# Altium PCB UZ_A_MAX11331_Daughter.PcbDoc (part 7 of 7)
Units mil, origin at the board's own origin, x right, y up, seen from the top; angles counter-clockwise.
Board outline 6811.03 x 3937.01 mil, 6 copper layers (Top Layer, GND, Signal 1, Signal 2, VCC, Bottom Layer), stack 32.112 mil thick; 537 components, 329 nets, 1705 pads, 572 vias.
Unrouted connection lines stored in the file: 272.
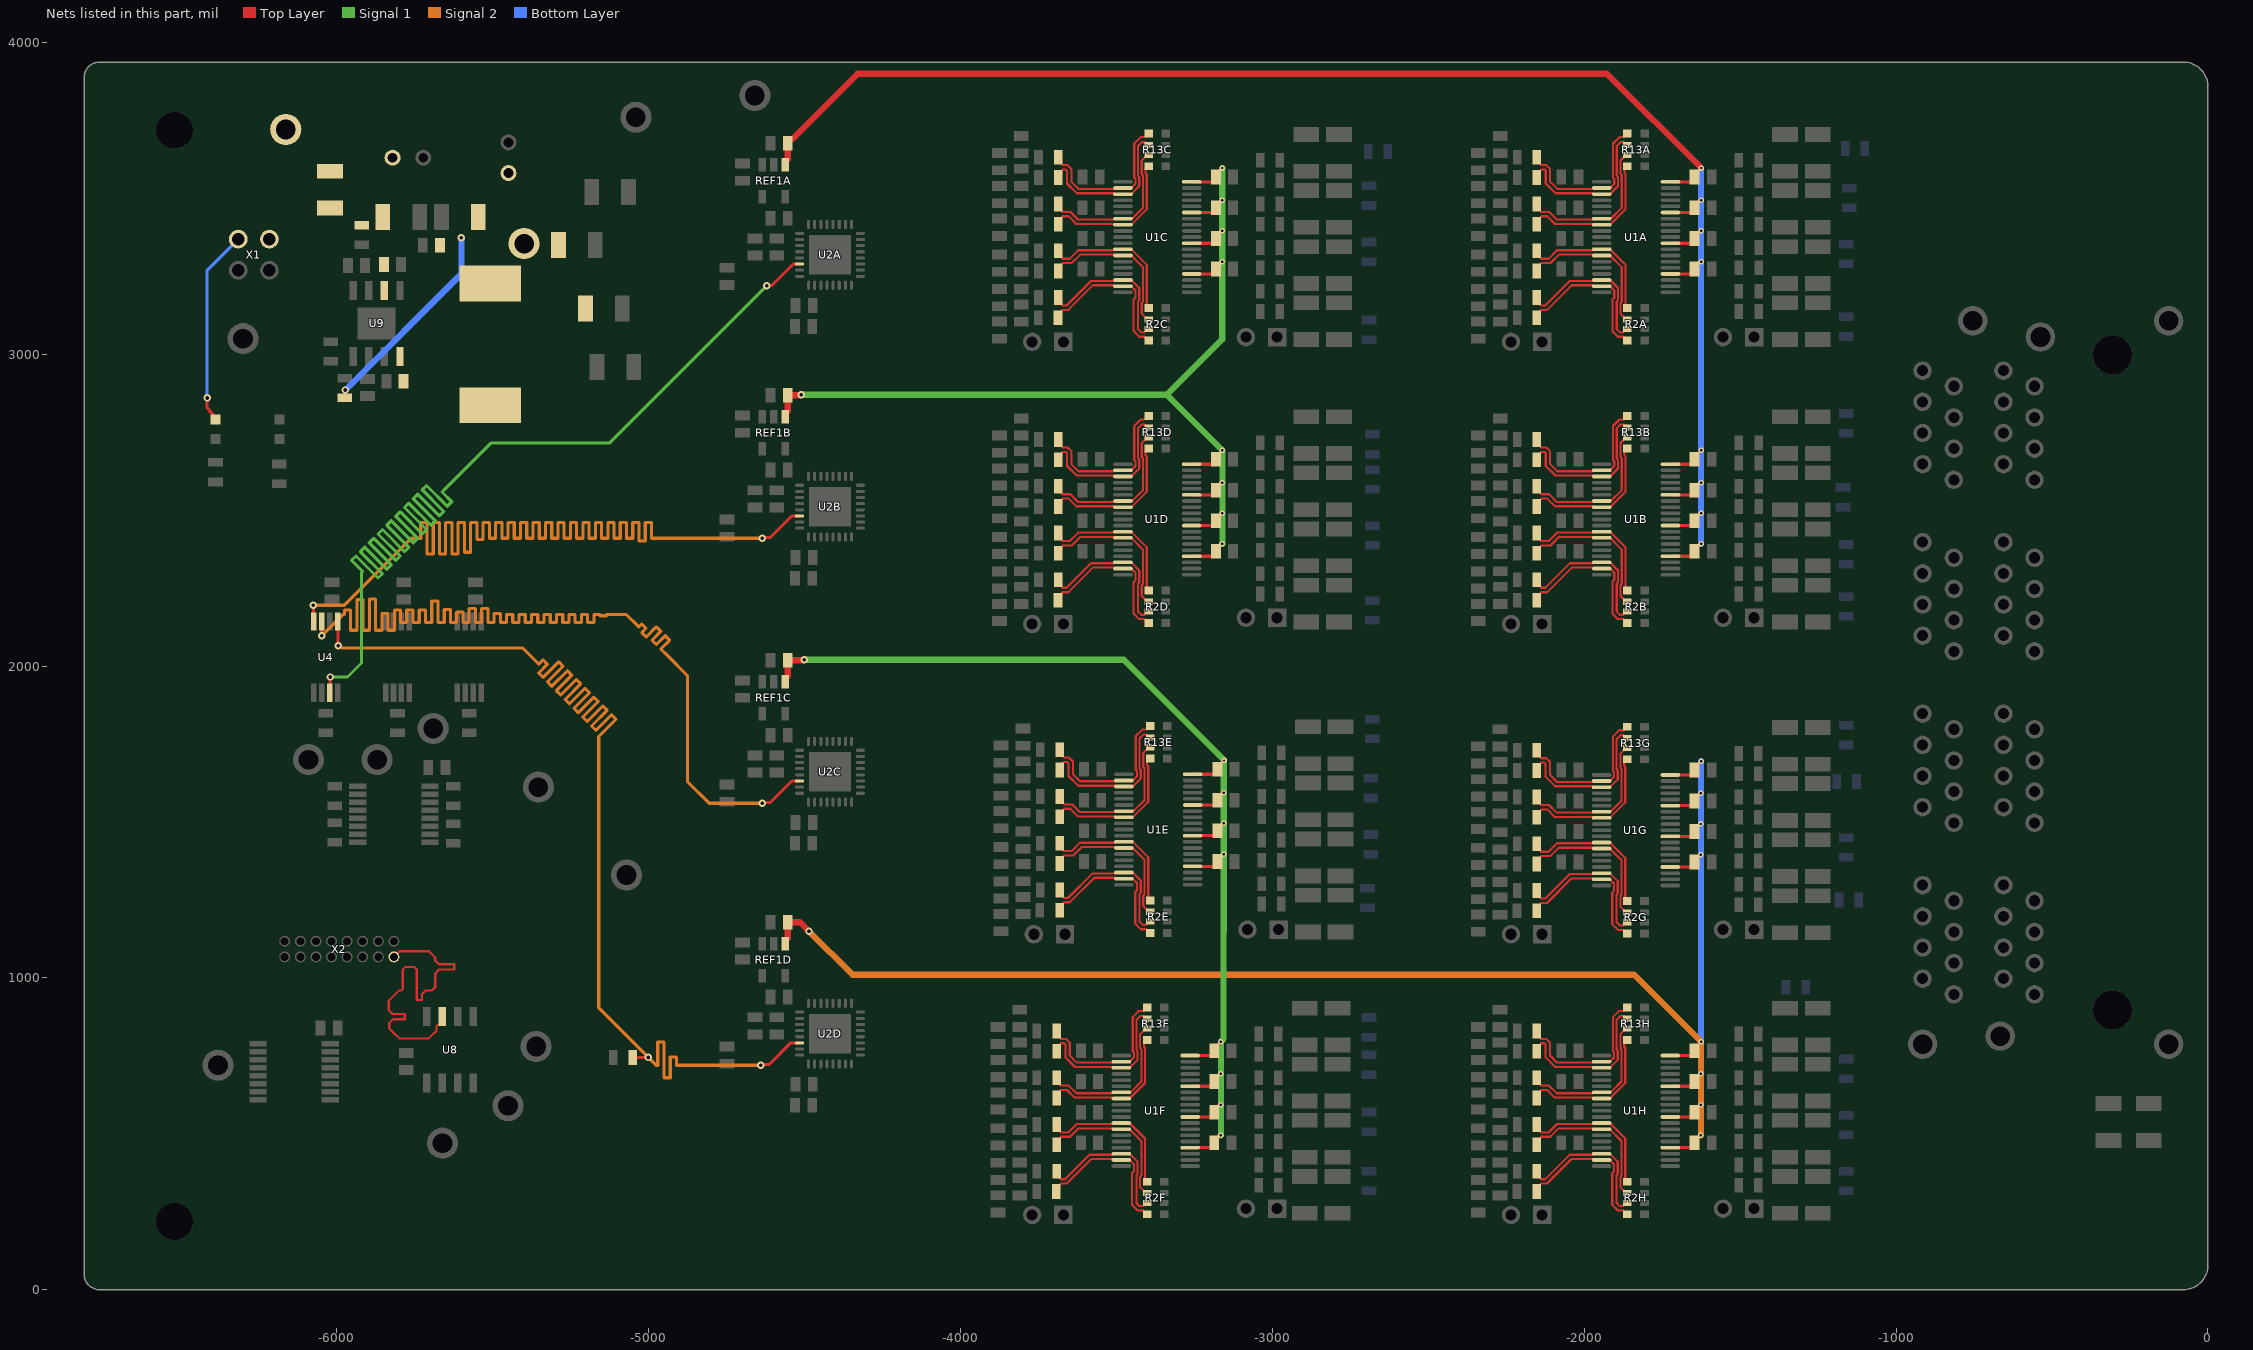
[diagram p11: the nets of this part, all layers, seen from the top]

## Via types
v1: diameter 17.72, hole 7.87, Top Layer to Bottom Layer, tented both sides, 359 vias
v2: diameter 23.62, hole 11.81, Top Layer to Bottom Layer, tented both sides, 171 vias
v3: diameter 27.56, hole 11.81, Top Layer to Bottom Layer, tented bottom, 32 vias
v4: diameter 19.68, hole 7.87, Top Layer to Bottom Layer, tented bottom, 6 vias
v5: diameter 51.18, hole 27.56, Top Layer to Bottom Layer, 4 vias

## Nets (pads, with @x,y where several pads share a name; then routed paths per layer and width w, separated by ;. In a path a pad name is that pad's centre, name@x,y a point inside that pad or via, vN(x,y) a via of type N, cw(c..) or ccw(c..) an arc to the next point about the centre after c; other vN are vias at no path point) (continued)
SCLK_RTN_P: U8.7 X2.15 | length 1117.5
  Top Layer w7: X2.15@-5817.57,1067.57 -5799.57,1085.57 -5705.57,1085.57 -5705.18,1085.18 -5685,1065 -5685,1056 -5672.7,1043.7 -5624,1043.7 -5624,1026.7 -5672.7,1026.7 -5685,1014.4 -5685,970 -5687.5,967.5 -5695,960 -5714.8,960 -5727.1,947.7 -5727.1,928.88 -5744.1,928.88 -5744.1,1026.8 -5752.3,1035 -5780.9,1035 -5789.1,1026.8 -5789.1,964.1 -5793.2,960 -5800.8,960 -5834,926.8 -5834,910 -5834,896.6 -5821.7,884.3 -5782.81,884.3 -5782.81,867.3 -5820.1,867.3 -5832.4,855 -5832.4,837.6 -5816.36,821.56 -5800.8,806 -5705.46,806 -5680.57,830.9 -5680.57,844.75 -5676.46,848.85 -5670.88,848.85 -5662.57,857.17 U8.7@-5662.57,875.87
SCLKA: U2A.22 U4.3 | length 4060.4
  Top Layer w10: U4.3@-6023.19,1914.68 -6022.31,1915.57 -6022.31,1964.11 v2(-6021.42,1965) ; v2(-4621.42,3220) -4606.42,3220 -4537.13,3289.29 -4516.38,3289.29 U2A.22@-4516.31,3289.37
  Signal 1 w10: v2(-6021.42,1965) -5966.42,1965 -5921.42,2010 -5921.42,2300 -5917.89,2303.54 -5953.24,2338.89 -5939.1,2353.03 -5868.39,2282.32 -5854.25,2296.46 -5924.96,2367.18 -5910.82,2381.32 -5840.11,2310.61 -5825.96,2324.75 -5896.67,2395.46 -5882.53,2409.6 -5811.82,2338.89 -5797.68,2353.03 -5868.39,2423.74 -5854.25,2437.89 -5783.54,2367.18 -5769.39,2381.32 -5840.11,2452.03 -5825.96,2466.17 -5755.25,2395.46 -5741.11,2409.6 -5811.82,2480.31 -5797.68,2494.45 -5726.97,2423.74 -5712.83,2437.89 -5783.54,2508.6 -5769.4,2522.74 -5698.68,2452.03 -5684.54,2466.17 -5755.25,2536.88 -5741.11,2551.02 -5671.68,2481.59 -5657.54,2495.74 -5726.97,2565.17 -5712.83,2579.31 -5645.88,2512.36 -5631.74,2526.5 -5663.33,2558.09 -5654.12,2567.3 -5506.42,2715 -5126.42,2715 v2(-4621.42,3220)
SCLKB: U2B.22 U4.8 | length 4046.6
  Top Layer w10: v2(-6076.42,2195) -6075.4,2193.98 -6075.4,2144.06 U4.8@-6074.38,2143.03 ; v2(-4636.42,2410) -4633.82,2412.61 -4610.03,2412.61 -4541.14,2481.5 -4516.38,2481.5 U2B.22@-4516.31,2481.57
  Signal 2 w10: v2(-6076.42,2195) -5976.42,2195 -5761.42,2410 -5736.42,2410 -5731.42,2410 -5731.42,2460 -5711.42,2460 -5711.42,2360 -5691.42,2360 -5691.42,2460 -5671.42,2460 -5671.42,2360 -5651.42,2360 -5651.42,2460 -5631.42,2460 -5631.42,2360 -5611.42,2360 -5611.42,2460 -5591.42,2460 -5591.42,2365 -5571.42,2365 -5571.42,2460 -5551.42,2460 -5551.42,2406.18 -5531.42,2406.18 -5531.42,2460 -5511.42,2460 -5511.42,2410 -5491.42,2410 -5491.42,2460 -5471.42,2460 -5471.42,2410 -5451.42,2410 -5451.42,2460 -5431.42,2460 -5431.42,2410 -5411.42,2410 -5411.42,2460 -5391.42,2460 -5391.42,2410 -5371.42,2410 -5371.42,2460 -5351.42,2460 -5351.42,2410 -5331.42,2410 -5331.42,2460 -5311.42,2460 -5311.42,2410 -5291.42,2410 -5291.42,2460 -5271.42,2460 -5271.42,2410 -5251.42,2410 -5251.42,2460 -5231.42,2460 -5231.42,2410 -5211.42,2410 -5211.42,2460 -5191.42,2460 -5191.42,2410 -5171.42,2410 -5171.42,2460 -5151.42,2460 -5151.42,2410 -5131.42,2410 -5131.42,2460 -5111.42,2460 -5111.42,2410 -5091.42,2410 -5091.42,2460 -5071.42,2460 -5071.42,2410 -5051.42,2410 -5051.42,2460 -5031.42,2460 -5031.42,2401.36 -5011.42,2401.36 -5011.42,2460 -4991.42,2460 -4991.42,2410 -4986.11,2410 v2(-4636.42,2410)
SCLKC: U2C.22 U4.7 | length 4041
  Top Layer w10: v2(-6048.79,2097.36) U4.7@-6048.79,2143.03 ; v2(-4636.42,1560) -4633.82,1562.61 -4609.67,1562.61 -4606.42,1565.86 -4606.42,1566.21 -4541.14,1631.5 -4516.38,1631.5 U2C.22@-4516.31,1631.57
  Signal 2 w10: v2(-6048.79,2097.36) -5981.15,2165 -5976.15,2165 -5976.15,2180 -5956.15,2180 -5956.15,2115 -5936.15,2115 -5936.15,2214.06 -5916.15,2214.06 -5916.15,2115 -5896.15,2115 -5896.15,2215 -5876.15,2215 -5876.15,2115 -5856.15,2115 -5856.15,2168.19 -5836.15,2168.19 -5836.15,2115 -5816.15,2115 -5816.15,2180 -5796.15,2180 -5796.15,2140 -5776.15,2140 -5776.15,2180 -5756.15,2180 -5756.15,2140 -5736.15,2140 -5736.15,2180 -5716.15,2180 -5716.15,2140 -5696.15,2140 -5696.15,2209.06 -5676.15,2209.06 -5676.15,2140 -5656.15,2140 -5656.15,2181.81 -5636.15,2181.81 -5636.15,2140 -5616.15,2140 -5616.15,2173.19 -5596.15,2173.19 -5596.15,2140 -5576.15,2140 -5576.15,2185 -5556.15,2185 -5556.15,2140 -5536.15,2140 -5536.15,2185 -5516.15,2185 -5516.15,2140 -5496.15,2140 -5496.15,2168.58 -5476.15,2168.58 -5476.15,2140 -5456.15,2140 -5456.15,2165 -5436.15,2165 -5436.15,2140 -5416.15,2140 -5416.15,2165 -5396.15,2165 -5396.15,2140 -5376.15,2140 -5376.15,2165 -5356.15,2165 -5356.15,2140 -5336.15,2140 -5336.15,2165 -5316.15,2165 -5316.15,2140 -5296.15,2140 -5296.15,2165 -5276.15,2165 -5276.15,2140 -5256.15,2140 -5256.15,2165 -5236.15,2165 -5236.15,2140 -5216.15,2140 -5216.15,2165 -5196.15,2165 -5196.15,2140 -5176.15,2140 -5176.15,2165 -5156.15,2165 -5156.15,2161.4 -5136.15,2161.4 -5136.15,2165 -5096.42,2165 -5071.42,2165 -5035.71,2129.29 -5032.18,2125.75 -5022.93,2135 -5008.79,2120.86 -5022.3,2107.34 -5008.16,2093.2 -4975.61,2125.75 -4961.47,2111.61 -4989.75,2083.33 -4975.61,2069.18 -4947.32,2097.47 -4933.18,2083.33 -4961.47,2055.04 -4940.71,2034.29 -4876.42,1970 -4876.42,1630 -4806.42,1560 v2(-4636.42,1560)
SCLKD: R24.1 U2D.22 U4.5 | length 4051.6
  Top Layer w10: U4.5@-5997.6,2143.03 -5997.01,2142.44 -5997.01,2065.59 v2(-5996.42,2065) ; R24.1@-5051.42,745 v2(-5001.42,745) ; v2(-4641.42,720) -4639.61,721.81 -4614.61,721.81 -4544.85,791.57 U2D.22@-4516.31,791.57
  Signal 2 w10: v2(-5996.42,2065) -5992.74,2065 -5985.93,2058.19 -5404.61,2058.19 -5356.42,2010 -5352.89,2006.46 -5339.35,2020 -5325.21,2005.86 -5353.14,1977.93 -5339,1963.79 -5289.25,2013.54 -5275.11,1999.39 -5324.85,1949.64 -5310.71,1935.5 -5260.96,1985.25 -5246.82,1971.11 -5296.57,1921.36 -5282.43,1907.22 -5232.68,1956.97 -5218.54,1942.82 -5268.29,1893.08 -5254.14,1878.93 -5204.39,1928.68 -5190.25,1914.54 -5240,1864.79 -5225.86,1850.65 -5176.11,1900.4 -5161.97,1886.26 -5211.72,1836.51 -5197.58,1822.37 -5147.83,1872.11 -5133.68,1857.97 -5183.63,1808.03 -5169.49,1793.89 -5119.54,1843.83 -5105.4,1829.69 -5160.71,1774.37 -5160.71,1760.71 -5160.71,904.29 v2(-5001.42,745) -4976.42,720 -4971.42,720 -4971.42,795 -4951.42,795 -4951.42,680 -4931.42,680 -4931.42,746.37 -4911.42,746.37 -4911.42,720 -4835,720 v2(-4641.42,720)
SW: C41.1 L1.1 U9.8
TD1A_N: R13A.6 R19A.2 U1A.22 | length 518.1
  Top Layer w7: R19A.2@-2151.82,3567.05 -2141.54,3577.33 -2141.54,3588.45 -2137.44,3592.55 -2127.54,3592.55 -2123.44,3588.45 -2123.44,3547.37 -2092.53,3516.46 -1973.68,3516.46 -1970.84,3513.62 U1A.22@-1943.94,3513.62 -1917.67,3513.62 -1891.95,3539.34 -1891.95,3567.49 -1895.44,3570.99 -1895.44,3571.6 -1895.79,3571.95 -1895.79,3667.94 -1883.61,3680.13 -1873.71,3680.13 -1871.79,3678.21 -1871.79,3677.44 -1865.45,3671.1 R13A.6@-1861.51,3671.1
TD1A_P: R13A.5 R22A.2 U1A.21 | length 517.1
  Top Layer w7: R22A.2@-2151.82,3632.05 -2141.54,3621.77 -2141.54,3610.65 -2137.44,3606.55 -2121.74,3606.55 -2109.44,3594.25 -2109.44,3553.17 -2086.73,3530.46 -1973.68,3530.46 -1970.84,3533.31 U1A.21@-1943.94,3533.31 -1917.66,3533.31 -1903.95,3547.03 -1903.95,3562.52 -1907.79,3566.37 -1907.79,3675.74 -1887.22,3696.31 -1873.9,3696.31 -1862.69,3707.52 R13A.5@-1861.51,3707.52
TD1B_N: R13B.6 R19B.2 U1B.22 | length 518.1
  Top Layer w7: R19B.2@-2151.82,2661.54 -2141.54,2671.82 -2141.54,2682.93 -2137.44,2687.04 -2127.54,2687.04 -2123.44,2682.93 -2123.44,2641.86 -2092.53,2610.95 -1973.68,2610.95 -1970.84,2608.11 U1B.22@-1943.94,2608.11 -1917.67,2608.11 -1891.95,2633.83 -1891.95,2661.98 -1895.44,2665.47 -1895.44,2666.09 -1895.79,2666.44 -1895.79,2762.43 -1883.61,2774.62 -1873.71,2774.62 -1871.79,2772.7 -1871.79,2771.93 -1865.45,2765.59 R13B.6@-1861.51,2765.59
TD1B_P: R13B.5 R22B.2 U1B.21 | length 517.1
  Top Layer w7: R22B.2@-2151.82,2726.54 -2141.54,2716.26 -2141.54,2705.14 -2137.44,2701.04 -2121.74,2701.04 -2109.44,2688.73 -2109.44,2647.66 -2086.73,2624.95 -1973.68,2624.95 -1970.84,2627.8 U1B.21@-1943.94,2627.8 -1917.66,2627.8 -1903.95,2641.51 -1903.95,2657.01 -1907.79,2660.85 -1907.79,2770.23 -1887.22,2790.8 -1873.9,2790.8 -1862.69,2802.01 R13B.5@-1861.51,2802.01
TD1C_N: R13C.6 R19C.2 U1C.22 | length 518.1
  Top Layer w7: R19C.2@-3687.25,3567.05 -3676.97,3577.33 -3676.97,3588.45 -3672.87,3592.55 -3662.97,3592.55 -3658.87,3588.45 -3658.87,3547.37 -3627.96,3516.46 -3509.11,3516.46 -3506.27,3513.62 U1C.22@-3479.38,3513.62 -3453.1,3513.62 -3427.38,3539.34 -3427.38,3567.49 -3430.87,3570.99 -3430.87,3571.6 -3431.22,3571.95 -3431.22,3667.94 -3419.04,3680.13 -3409.14,3680.13 -3407.22,3678.21 -3407.22,3677.44 -3400.88,3671.1 R13C.6@-3396.94,3671.1
TD1C_P: R13C.5 R22C.2 U1C.21 | length 517.1
  Top Layer w7: R22C.2@-3687.25,3632.05 -3676.97,3621.77 -3676.97,3610.65 -3672.87,3606.55 -3657.17,3606.55 -3644.87,3594.25 -3644.87,3553.17 -3622.16,3530.46 -3509.11,3530.46 -3506.27,3533.31 U1C.21@-3479.38,3533.31 -3453.1,3533.31 -3439.38,3547.03 -3439.38,3562.52 -3443.22,3566.37 -3443.22,3675.74 -3422.66,3696.31 -3409.33,3696.31 -3398.12,3707.52 R13C.5@-3396.94,3707.52
TD1D_N: R13D.6 R19D.2 U1D.22 | length 518.1
  Top Layer w7: R19D.2@-3687.25,2661.54 -3676.97,2671.82 -3676.97,2682.93 -3672.87,2687.04 -3662.97,2687.04 -3658.87,2682.93 -3658.87,2641.86 -3627.96,2610.95 -3509.11,2610.95 -3506.27,2608.11 U1D.22@-3479.38,2608.11 -3453.1,2608.11 -3427.38,2633.83 -3427.38,2661.98 -3430.87,2665.47 -3430.87,2666.09 -3431.22,2666.44 -3431.22,2762.43 -3419.04,2774.62 -3409.14,2774.62 -3407.22,2772.7 -3407.22,2771.93 -3400.88,2765.59 R13D.6@-3396.94,2765.59
TD1D_P: R13D.5 R22D.2 U1D.21 | length 517.1
  Top Layer w7: R22D.2@-3687.25,2726.54 -3676.97,2716.26 -3676.97,2705.14 -3672.87,2701.04 -3657.17,2701.04 -3644.87,2688.73 -3644.87,2647.66 -3622.16,2624.95 -3509.11,2624.95 -3506.27,2627.8 U1D.21@-3479.38,2627.8 -3453.1,2627.8 -3439.38,2641.51 -3439.38,2657.01 -3443.22,2660.85 -3443.22,2770.23 -3422.66,2790.8 -3409.33,2790.8 -3398.12,2802.01 R13D.5@-3396.94,2802.01
TD1E_N: R13E.6 R19E.2 U1E.22 | length 518.1
  Top Layer w7: R19E.2@-3682.24,1667.05 -3671.96,1677.33 -3671.96,1688.45 -3667.86,1692.55 -3657.96,1692.55 -3653.86,1688.45 -3653.86,1647.37 -3622.95,1616.46 -3504.1,1616.46 -3501.26,1613.62 -3474.37,1613.62 -3448.09,1613.62 -3422.37,1639.34 -3422.37,1667.49 -3425.86,1670.99 -3425.86,1671.6 -3426.21,1671.95 -3426.21,1767.94 -3414.03,1780.13 -3404.13,1780.13 -3402.21,1778.21 -3402.21,1777.44 -3395.87,1771.1 R13E.6@-3391.93,1771.1
TD1E_P: R13E.5 R22E.2 U1E.21 | length 517.1
  Top Layer w7: R22E.2@-3682.24,1732.05 -3671.96,1721.77 -3671.96,1710.65 -3667.86,1706.55 -3652.16,1706.55 -3639.86,1694.25 -3639.86,1653.17 -3617.15,1630.46 -3504.1,1630.46 -3501.26,1633.31 -3474.37,1633.31 -3448.09,1633.31 -3434.37,1647.03 -3434.37,1662.52 -3438.21,1666.37 -3438.21,1775.74 -3417.65,1796.31 -3404.32,1796.31 -3393.12,1807.52 R13E.5@-3391.93,1807.52
TD1F_N: R13F.6 R19F.2 U1F.22 | length 518.1
  Top Layer w7: R19F.2@-3692.29,765 -3682.01,775.28 -3682.01,786.4 -3677.91,790.5 -3668.01,790.5 -3663.91,786.4 -3663.91,745.33 -3633,714.42 -3514.15,714.42 -3511.31,711.57 U1F.22@-3484.42,711.57 -3458.14,711.57 -3432.42,737.29 -3432.42,765.45 -3435.91,768.94 -3435.91,769.55 -3436.26,769.9 -3436.26,865.9 -3424.08,878.08 -3414.18,878.08 -3412.26,876.16 -3412.26,875.4 -3405.92,869.06 R13F.6@-3401.98,869.06
TD1F_P: R13F.5 R22F.2 U1F.21 | length 517.1
  Top Layer w7: R22F.2@-3692.29,830 -3682.01,819.72 -3682.01,808.6 -3677.91,804.5 -3662.21,804.5 -3649.91,792.2 -3649.91,751.13 -3627.2,728.42 -3514.15,728.42 -3511.31,731.26 U1F.21@-3484.42,731.26 -3458.14,731.26 -3444.42,744.98 -3444.42,760.48 -3448.26,764.32 -3448.26,873.7 -3427.69,894.26 -3414.37,894.26 -3403.16,905.47 R13F.5@-3401.98,905.47
TD1G_N: R13G.6 R19G.2 U1G.22 | length 518.1
  Top Layer w7: R19G.2@-2152.29,1665 -2142.01,1675.28 -2142.01,1686.4 -2137.91,1690.5 -2128.01,1690.5 -2123.91,1686.4 -2123.91,1645.33 -2093,1614.42 -1974.15,1614.42 -1971.31,1611.57 U1G.22@-1944.42,1611.57 -1918.14,1611.57 -1892.42,1637.29 -1892.42,1665.45 -1895.91,1668.94 -1895.91,1669.55 -1896.26,1669.9 -1896.26,1765.9 -1884.08,1778.08 -1874.18,1778.08 -1872.26,1776.16 -1872.26,1775.4 -1865.92,1769.06 R13G.6@-1861.98,1769.06
TD1G_P: R13G.5 R22G.2 U1G.21 | length 517.1
  Top Layer w7: R22G.2@-2152.29,1730 -2142.01,1719.72 -2142.01,1708.6 -2137.91,1704.5 -2122.21,1704.5 -2109.91,1692.2 -2109.91,1651.13 -2087.2,1628.42 -1974.15,1628.42 -1971.31,1631.26 U1G.21@-1944.42,1631.26 -1918.14,1631.26 -1904.42,1644.98 -1904.42,1660.48 -1908.26,1664.32 -1908.26,1773.7 -1887.69,1794.26 -1874.37,1794.26 -1863.16,1805.47 R13G.5@-1861.98,1805.47
TD1H_N: R13H.6 R19H.2 U1H.22 | length 518.1
  Top Layer w7: R19H.2@-2152.29,765 -2142.01,775.28 -2142.01,786.4 -2137.91,790.5 -2128.01,790.5 -2123.91,786.4 -2123.91,745.33 -2093,714.42 -1974.15,714.42 -1971.31,711.57 U1H.22@-1944.42,711.57 -1918.14,711.57 -1892.42,737.29 -1892.42,765.45 -1895.91,768.94 -1895.91,769.55 -1896.26,769.9 -1896.26,865.9 -1884.08,878.08 -1874.18,878.08 -1872.26,876.16 -1872.26,875.4 -1865.92,869.06 R13H.6@-1861.98,869.06
TD1H_P: R13H.5 R22H.2 U1H.21 | length 517.1
  Top Layer w7: R22H.2@-2152.29,830 -2142.01,819.72 -2142.01,808.6 -2137.91,804.5 -2122.21,804.5 -2109.91,792.2 -2109.91,751.13 -2087.2,728.42 -1974.15,728.42 -1971.31,731.26 U1H.21@-1944.42,731.26 -1918.14,731.26 -1904.42,744.98 -1904.42,760.48 -1908.26,764.32 -1908.26,873.7 -1887.69,894.26 -1874.37,894.26 -1863.16,905.47 R13H.5@-1861.98,905.47
TD2A_N: R13A.8 R14A.2 U1A.27 | length 477.2
  Top Layer w7: R14A.2@-2151.82,3417.05 -2141.54,3427.33 -2141.54,3438.45 -2137.44,3442.55 -2118.23,3442.55 -2093.73,3418.04 -1973.68,3418.04 -1970.84,3415.2 U1A.27@-1943.94,3415.2 -1917.67,3415.2 -1867.95,3464.91 -1867.95,3578.05 -1871.42,3581.53 -1871.42,3594.09 -1862.32,3603.19 R13A.8@-1861.51,3603.19
TD2A_P: R13A.7 R17A.2 U1A.26 | length 497.6
  Top Layer w7: R17A.2@-2151.82,3482.05 -2141.54,3471.77 -2141.54,3460.65 -2137.44,3456.55 -2112.44,3456.55 -2087.93,3432.04 -1973.68,3432.04 -1970.84,3434.88 U1A.26@-1943.94,3434.88 -1917.05,3434.88 -1914.65,3437.29 -1912.55,3437.29 -1879.95,3469.89 -1879.95,3573.08 -1883.79,3576.92 -1883.79,3621.26 -1865.45,3639.61 R13A.7@-1861.51,3639.61
TD2B_N: R13B.8 R14B.2 U1B.27 | length 477.2
  Top Layer w7: R14B.2@-2151.82,2511.54 -2141.54,2521.82 -2141.54,2532.93 -2137.44,2537.04 -2118.23,2537.04 -2093.73,2512.53 -1973.68,2512.53 -1970.84,2509.68 U1B.27@-1943.94,2509.68 -1917.67,2509.68 -1867.95,2559.4 -1867.95,2672.54 -1871.42,2676.01 -1871.42,2688.58 -1862.32,2697.68 R13B.8@-1861.51,2697.68
TD2B_P: R13B.7 R17B.2 U1B.26 | length 497.6
  Top Layer w7: R17B.2@-2151.82,2576.54 -2141.54,2566.26 -2141.54,2555.14 -2137.44,2551.04 -2112.44,2551.04 -2087.93,2526.53 -1973.68,2526.53 -1970.84,2529.37 U1B.26@-1943.94,2529.37 -1917.05,2529.37 -1914.65,2531.78 -1912.55,2531.78 -1879.95,2564.37 -1879.95,2667.57 -1883.79,2671.41 -1883.79,2715.75 -1865.45,2734.09 R13B.7@-1861.51,2734.09
TD2C_N: R13C.8 R14C.2 U1C.27 | length 477.2
  Top Layer w7: R14C.2@-3687.25,3417.05 -3676.97,3427.33 -3676.97,3438.45 -3672.87,3442.55 -3653.67,3442.55 -3629.16,3418.04 -3509.11,3418.04 -3506.27,3415.2 U1C.27@-3479.38,3415.2 -3453.1,3415.2 -3403.38,3464.91 -3403.38,3578.05 -3406.86,3581.53 -3406.86,3594.09 -3397.76,3603.19 R13C.8@-3396.94,3603.19
TD2C_P: R13C.7 R17C.2 U1C.26 | length 497.6
  Top Layer w7: R17C.2@-3687.25,3482.05 -3676.97,3471.77 -3676.97,3460.65 -3672.87,3456.55 -3647.87,3456.55 -3623.36,3432.04 -3509.11,3432.04 -3506.27,3434.88 U1C.26@-3479.38,3434.88 -3452.48,3434.88 -3450.08,3437.29 -3447.98,3437.29 -3415.38,3469.89 -3415.38,3573.08 -3419.22,3576.92 -3419.22,3621.26 -3400.88,3639.61 R13C.7@-3396.94,3639.61
TD2D_N: R13D.8 R14D.2 U1D.27 | length 477.2
  Top Layer w7: R14D.2@-3687.25,2511.54 -3676.97,2521.82 -3676.97,2532.93 -3672.87,2537.04 -3653.67,2537.04 -3629.16,2512.53 -3509.11,2512.53 -3506.27,2509.68 U1D.27@-3479.38,2509.68 -3453.1,2509.68 -3403.38,2559.4 -3403.38,2672.54 -3406.86,2676.01 -3406.86,2688.58 -3397.76,2697.68 R13D.8@-3396.94,2697.68
TD2D_P: R13D.7 R17D.2 U1D.26 | length 497.6
  Top Layer w7: R17D.2@-3687.25,2576.54 -3676.97,2566.26 -3676.97,2555.14 -3672.87,2551.04 -3647.87,2551.04 -3623.36,2526.53 -3509.11,2526.53 -3506.27,2529.37 U1D.26@-3479.38,2529.37 -3452.48,2529.37 -3450.08,2531.78 -3447.98,2531.78 -3415.38,2564.37 -3415.38,2667.57 -3419.22,2671.41 -3419.22,2715.75 -3400.88,2734.09 R13D.7@-3396.94,2734.09
TD2E_N: R13E.8 R14E.2 U1E.27 | length 477.2
  Top Layer w7: R14E.2@-3682.24,1517.05 -3671.96,1527.33 -3671.96,1538.45 -3667.86,1542.55 -3648.66,1542.55 -3624.15,1518.04 -3504.1,1518.04 -3501.26,1515.2 -3474.37,1515.2 -3448.09,1515.2 -3398.37,1564.91 -3398.37,1678.05 -3401.85,1681.53 -3401.85,1694.09 -3392.75,1703.19 R13E.8@-3391.93,1703.19
TD2E_P: R13E.7 R17E.2 U1E.26 | length 497.6
  Top Layer w7: R17E.2@-3682.24,1582.05 -3671.96,1571.77 -3671.96,1560.65 -3667.86,1556.55 -3642.86,1556.55 -3618.35,1532.04 -3504.1,1532.04 -3501.26,1534.88 -3474.37,1534.88 -3447.48,1534.88 -3445.07,1537.29 -3442.97,1537.29 -3410.37,1569.89 -3410.37,1673.08 -3414.21,1676.92 -3414.21,1721.26 -3395.87,1739.61 R13E.7@-3391.93,1739.61
TD2F_N: R13F.8 R14F.2 U1F.27 | length 477.2
  Top Layer w7: R14F.2@-3692.29,615 -3682.01,625.28 -3682.01,636.4 -3677.91,640.5 -3658.71,640.5 -3634.2,615.99 -3514.15,615.99 -3511.31,613.15 U1F.27@-3484.42,613.15 -3458.14,613.15 -3408.42,662.87 -3408.42,776 -3411.9,779.48 -3411.9,792.04 -3402.8,801.14 R13F.8@-3401.98,801.14
TD2F_P: R13F.7 R17F.2 U1F.26 | length 497.6
  Top Layer w7: R17F.2@-3692.29,680 -3682.01,669.72 -3682.01,658.6 -3677.91,654.5 -3652.91,654.5 -3628.4,629.99 -3514.15,629.99 -3511.31,632.83 U1F.26@-3484.42,632.83 -3457.52,632.83 -3455.12,635.24 -3453.02,635.24 -3420.42,667.84 -3420.42,771.03 -3424.26,774.87 -3424.26,819.22 -3405.92,837.56 R13F.7@-3401.98,837.56
TD2G_N: R13G.8 R14G.2 U1G.27 | length 477.2
  Top Layer w7: R14G.2@-2152.29,1515 -2142.01,1525.28 -2142.01,1536.4 -2137.91,1540.5 -2118.71,1540.5 -2094.2,1515.99 -1974.15,1515.99 -1971.31,1513.15 U1G.27@-1944.42,1513.15 -1918.14,1513.15 -1868.42,1562.87 -1868.42,1676 -1871.9,1679.48 -1871.9,1692.04 -1862.8,1701.14 R13G.8@-1861.98,1701.14
TD2G_P: R13G.7 R17G.2 U1G.26 | length 497.6
  Top Layer w7: R17G.2@-2152.29,1580 -2142.01,1569.72 -2142.01,1558.6 -2137.91,1554.5 -2112.91,1554.5 -2088.4,1529.99 -1974.15,1529.99 -1971.31,1532.83 U1G.26@-1944.42,1532.83 -1917.52,1532.83 -1915.12,1535.24 -1913.02,1535.24 -1880.42,1567.84 -1880.42,1671.03 -1884.26,1674.87 -1884.26,1719.22 -1865.92,1737.56 R13G.7@-1861.98,1737.56
TD2H_N: R13H.8 R14H.2 U1H.27 | length 477.2
  Top Layer w7: R14H.2@-2152.29,615 -2142.01,625.28 -2142.01,636.4 -2137.91,640.5 -2118.71,640.5 -2094.2,615.99 -1974.15,615.99 -1971.31,613.15 U1H.27@-1944.42,613.15 -1918.14,613.15 -1868.42,662.87 -1868.42,776 -1871.9,779.48 -1871.9,792.04 -1862.8,801.14 R13H.8@-1861.98,801.14
TD2H_P: R13H.7 R17H.2 U1H.26 | length 497.6